# Altium PCB BTF16.PcbDoc (part 4 of 4)
Units mm, origin at the board's own origin, x right, y up, seen from the top; angles counter-clockwise.
Board outline 119.35 x 91 mm, 2 copper layers (Top Layer, Bottom Layer); 485 components, 133 nets, 1702 pads, 1556 vias.
Unrouted connection lines stored in the file: 2.
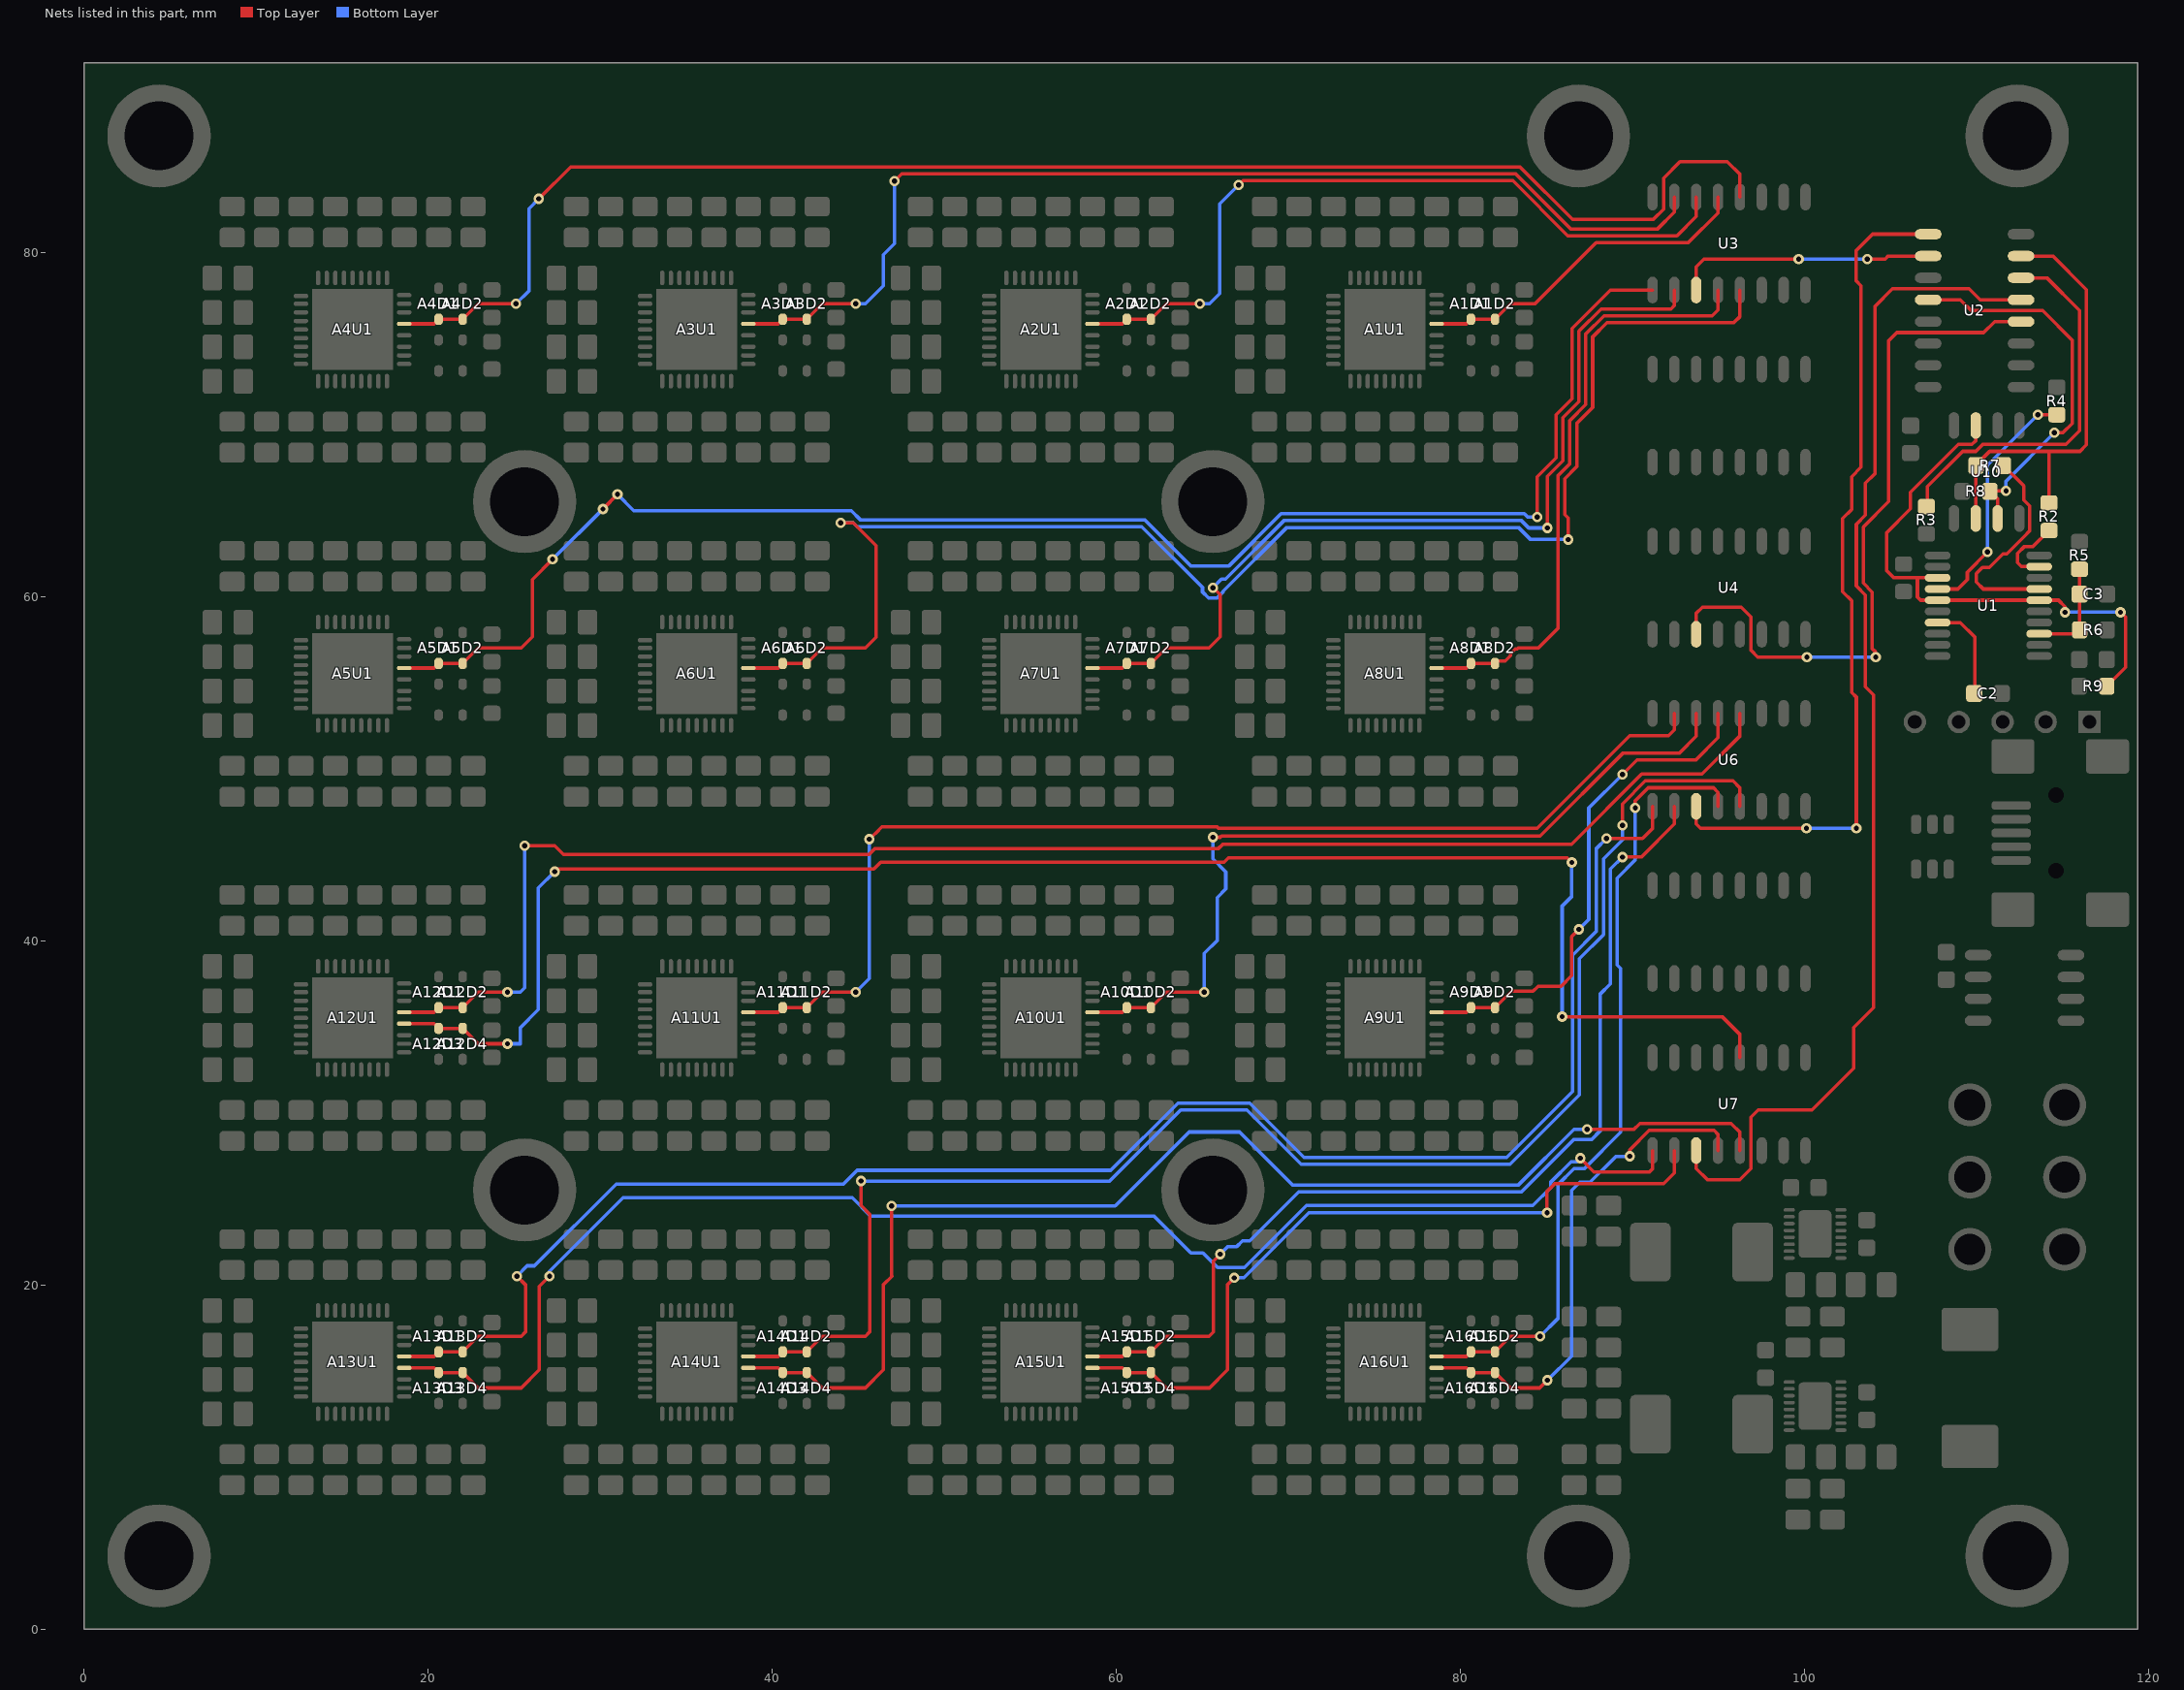
[diagram p4: the nets of this part, all layers, seen from the top]

## Via types
v1: diameter 0.6, hole 0.3, Top Layer to Bottom Layer, tented both sides, 1556 vias

## Nets (pads, with @x,y where several pads share a name; then routed paths per layer and width w, separated by ;. In a path a pad name is that pad's centre, name@x,y a point inside that pad or via, vN(x,y) a via of type N, cw(c..) or ccw(c..) an arc to the next point about the centre after c; other vN are vias at no path point) (continued)
SCL12: A12D3.2 A12D4.1 A12U1.22 | length 99.2
  Top Layer w0.2: A12U1.22@18.6,35.167 20.333,35.167 A12D3.2@20.6,34.9 A12D4.1@22,34.9 ; A12D4.1@22,34.75 A12D4.1@22,34.9 ; v1(24.6,34) 22.9,34 A12D4.1@22,34.9 ; v1@27.206,44 27.356,44.15 45.899,44.15 46.299,44.55 66.259,44.55 66.509,44.8 86.2,44.8 v1(86.462,44.537) ; v1(85.9,35.575) 95.2,35.575 96.235,34.54 96.235,33.2
  Bottom Layer w0.2: v1(24.6,34) 25.35,34 25.35,34.934 26.4,35.984 26.4,43.05 v1(27.35,44) ; v1(85.9,35.575) 85.9,42 86.462,42.562 v1(86.462,44.537)
SCL13: U7.1
SCL13: A13D3.2 A13D4.1 A13U1.22 | length 86.7
  Top Layer w0.2: A13U1.22@18.6,15.167 20.333,15.167 A13D3.2@20.6,14.9 A13D4.1@22,14.9 ; A13D4.1@22,14.75 A13D4.1@22,14.9 ; v1(27.05,20.5) 26.45,19.9 26.45,15.05 25.4,14 22.9,14 A13D4.1@22,14.9 ; v1(86.95,27.35) 87.75,26.55 90.975,26.55 91.155,26.73 91.155,27.8
  Bottom Layer w0.2: v1(27.05,20.5) 27.05,20.775 31.325,25.05 44.65,25.05 45.725,23.975 62.2,23.975 64.325,21.85 65.025,21.85 65.875,21 67.434,21 71.034,24.6 84.2,24.6 85.25,25.65 85.25,25.972 86.428,27.15 86.75,27.15 v1(86.95,27.35)
SCL14: U7.5
SCL14: A14D3.2 A14D4.1 A14U1.22 | length 73.8
  Top Layer w0.2: A14U1.22@38.6,15.167 40.333,15.167 A14D3.2@40.6,14.9 A14D4.1@42,14.9 ; A14D4.1@42,14.75 A14D4.1@42,14.9 ; v1(46.925,24.575) 46.925,20.525 46.95,20.5 46.45,20 46.45,15.05 45.4,14 42.9,14 A14D4.1@42,14.9 ; v1(87.35,29.025) 90.072,29.025 90.422,29.375 95.725,29.375 96.235,28.865 96.235,27.8
  Bottom Layer w0.2: v1(46.925,24.575) 59.925,24.575 64.225,28.875 67.15,28.875 70.225,25.8 83.369,25.8 86.594,29.025 v1(87.35,29.025)
SCL15: U7.2
SCL15: A15D3.2 A15D4.1 A15U1.22 | length 44.6
  Top Layer w0.2: A15U1.22@58.6,15.167 60.333,15.167 A15D3.2@60.6,14.9 A15D4.1@62,14.9 ; A15D4.1@62,14.75 A15D4.1@62,14.9 ; v1(66.85,20.4) 66.45,20 66.45,15.05 65.4,14 62.9,14 A15D4.1@62,14.9 ; v1(85.025,24.175) 85.025,25.425 85.475,25.875 91.8,25.875 92.425,26.5 92.425,27.8
  Bottom Layer w0.2: v1(66.85,20.4) 67.4,20.4 71.175,24.175 71.55,24.175 v1(85.025,24.175)
SCL16: U7.4
SCL16: A16D3.2 A16D4.1 A16U1.22 | length 30.2
  Top Layer w0.2: A16U1.22@78.6,15.167 80.333,15.167 A16D3.2@80.6,14.9 A16D4.1@82,14.9 ; A16D4.1@82,14.75 A16D4.1@82,14.9 ; v1(85.05,14.45) 84.6,14 82.9,14 A16D4.1@82,14.9 ; v1@89.825,27.375 v1(89.825,27.462) 89.825,27.834 90.966,28.975 94.725,28.975 94.965,28.735 94.965,27.8
  Bottom Layer w0.2: v1(85.05,14.45) 86.45,15.85 86.45,25.475 86.925,25.95 87.53,25.95 89.042,27.462 v1(89.825,27.462)
SCL_MCU: R3.1 U2.14 | length 22.5
  Top Layer w0.2: R3.1@107.125,65.225 107.125,66.375 109.175,68.425 109.95,68.425 110.35,68.825 115.175,68.825 115.975,69.625 115.975,76.6 114.07,78.505 U2.14@112.575,78.505
SCLH: U2.13 U7.3 | length 69.7
  Top Layer w0.2: U7.3@93.695,27.8 93.695,26.755 94.35,26.1 96.225,26.1 96.875,26.75 96.875,29.725 97.3,30.15 100.425,30.15 102.85,32.575 102.85,34.95 104,36.1 104,54.275 103.525,54.75 103.525,60.078 103,60.603 103,64.192 103.525,64.717 103.525,65.181 103.525,66.575 104.075,67.125 104.075,76.85 105.1,77.875 109.55,77.875 110.19,77.235 U2.13@112.575,77.235
SCLL: U2.12 U4.3 | length 41.6
  Top Layer w0.2: U4.3@93.695,57.8 93.695,59.02 94.05,59.375 96.3,59.375 96.875,58.8 96.875,56.875 97.275,56.475 v1(100.125,56.475) ; v1(104.125,56.475) 104.125,56.758 103.925,56.958 103.925,60.244 103.4,60.769 103.4,64.026 104.875,65.501 104.875,74.85 105.35,75.325 110.4,75.325 111.04,75.965 U2.12@112.575,75.965
  Bottom Layer w0.2: v1(100.125,56.475) v1(104.125,56.475)
SDA1: U3.13
SDA1: A1D1.2 A1D2.1 A1U1.23 | length 19.9
  Top Layer w0.2: A1U1.23@78.6,75.833 80.333,75.833 A1D1.2@80.6,76.1 A1D2.1@82,76.1 82.9,77 84.325,77 87.875,80.55 93.225,80.55 94.95,82.275 94.95,83.185 94.965,83.2
SDA2: U3.14
SDA2: A2D1.2 A2D2.1 A2U1.23 | length 44.5
  Top Layer w0.2: A2U1.23@58.6,75.833 60.333,75.833 A2D1.2@60.6,76.1 A2D2.1@62,76.1 62.9,77 v1(64.85,77) ; v1(67.1,83.9) 67.35,84.15 83.034,84.15 86.234,80.95 92.575,80.95 93.695,82.07 93.695,83.2 93.7,83.205
  Bottom Layer w0.2: v1(64.85,77) 65.4,77 66,77.6 66,82.8 v1(67.1,83.9)
SDA3: U3.15
SDA3: A3D1.2 A3D2.1 A3U1.23 | length 63.2
  Top Layer w0.2: A3U1.23@38.6,75.833 40.333,75.833 A3D1.2@40.6,76.1 A3D2.1@42,76.1 42.9,77 v1(44.85,77) ; v1(47.1,84.125) 47.525,84.55 83.2,84.55 86.4,81.35 91.45,81.35 92.425,82.325 92.425,83.2
  Bottom Layer w0.2: v1(44.85,77) 45.4,77 46.45,78.05 46.45,79.85 47.1,80.5 v1(47.1,84.125)
SDA4: U3.12
SDA4: A4D1.2 A4D2.1 A4U1.23 | length 89.5
  Top Layer w0.2: A4U1.23@18.6,75.833 20.333,75.833 A4D1.2@20.6,76.1 A4D2.1@22,76.1 22.9,77 v1(25.1,77) ; v1(26.425,83.1) 28.275,84.95 83.1,84.95 83.45,84.95 86.5,81.9 91.2,81.9 91.8,82.5 91.8,84.3 92.75,85.25 95.5,85.25 96.235,84.515 96.235,83.2
  Bottom Layer w0.2: v1(25.1,77) 25.85,77.75 25.85,82.525 v1(26.425,83.1)
SDA5: U3.1
SDA5: A5D1.2 A5D2.1 A5U1.23 | length 92.2
  Top Layer w0.2: A5U1.23@18.6,55.833 20.333,55.833 A5D1.2@20.6,56.1 A5D2.1@22,56.1 22.9,57 25.4,57 26.05,57.65 26.05,60.975 v1(27.225,62.15) ; v1(30.15,65.075) v1(31,65.925) ; v1(84.45,64.6) 84.45,66.938 85.55,68.038 85.55,70.55 86.475,71.475 86.475,75.572 88.703,77.8 91.155,77.8
  Bottom Layer w0.2: v1(27.225,62.15) v1(30.15,65.075) ; v1(31,65.925) 31.95,64.975 44.584,64.975 45.109,64.45 61.631,64.45 64.331,61.75 66.517,61.75 69.567,64.8 83.7,64.8 83.9,64.6 v1@84.2,64.6
SDA6: U3.5
SDA6: A6D1.2 A6D2.1 A6U1.23 | length 85.5
  Top Layer w0.2: A6U1.23@38.6,55.833 40.333,55.833 A6D1.2@40.6,56.1 A6D2.1@42,56.1 42.9,57 45.4,57 46.025,57.625 46.025,62.95 44.7,64.275 v1(43.975,64.275) ; v1(86.25,63.3) 86.25,64.55 86.05,64.75 86.05,66.841 86.75,67.541 86.75,70.053 87.675,70.978 87.675,75.075 88.5,75.9 95.875,75.9 96.235,76.26 96.235,77.8
  Bottom Layer w0.2: v1(43.975,64.275) 44.7,64.275 44.925,64.05 61.466,64.05 65,60.516 65,60.251 65.351,59.9 65.849,59.9 66.2,60.251 66.2,60.302 69.898,64 83.369,64 84.069,63.3 v1(86.25,63.3)
SDA7: U3.2
SDA7: A7D1.2 A7D2.1 A7U1.23 | length 51.7
  Top Layer w0.2: A7U1.23@58.6,55.833 60.333,55.833 A7D1.2@60.6,56.1 A7D2.1@62,56.1 62.9,57 65.375,57 66.025,57.65 66.025,60.1 65.625,60.5 v1(65.6,60.5) ; v1(85.05,63.975) 85.05,66.972 85.95,67.872 85.95,70.384 86.875,71.309 86.875,75.406 88.169,76.7 92.225,76.7 92.425,76.9 92.425,77.8
  Bottom Layer w0.2: v1(65.6,60.5) 66.1,61 66.333,61 69.733,64.4 83.534,64.4 83.959,63.975 v1(85.05,63.975)
SDA8: U3.4
SDA8: A8D1.2 A8D2.1 A8U1.23 | length 35.3
  Top Layer w0.2: A8U1.23@78.6,55.833 80.333,55.833 A8D1.2@80.6,56.1 A8D2.1@82,56.1 82.15,56.25 82.6,56.25 82.9,56.55 82.9,56.658 83.192,56.95 83.3,56.95 83.35,57 84.525,57 85.65,58.125 85.65,67.006 86.35,67.706 86.35,70.219 87.275,71.144 87.275,75.241 88.334,76.3 94.625,76.3 94.965,76.64 94.965,77.8
SDA9: U6.13
SDA9: A9D1.2 A9D2.1 A9U1.23 | length 29.8
  Top Layer w0.2: A9U1.23@78.6,35.833 80.333,35.833 A9D1.2@80.6,36.1 A9D2.1@82,36.1 82.95,37.05 84.208,37.05 84.5,37.342 85.842,37.342 86.45,37.95 86.45,40.225 v1(86.875,40.65) v1@86.7,40.475 ; v1(89.4,49.65) 90.25,50.5 93.675,50.5 94.965,51.79 94.965,53.2
  Bottom Layer w0.2: v1(86.875,40.65) 87.45,41.225 87.45,47.7 v1(89.4,49.65)
SDA10: U6.14
SDA10: A10D1.2 A10D2.1 A10U1.23 | length 48.7
  Top Layer w0.2: A10U1.23@58.6,35.833 60.333,35.833 A10D1.2@60.6,36.1 A10D2.1@62,36.1 62.9,37 v1(65.1,37) ; v1(65.6,46) 66.025,46 66.1,46.075 84.625,46.075 89.45,50.9 92.725,50.9 93.695,51.87 93.695,53.2
  Bottom Layer w0.2: v1(65.1,37) 65.1,39.25 65.85,40 65.85,42.5 66.35,43 66.35,43.991 65.6,44.741 v1(65.6,46)
SDA11: U6.15
SDA11: A11D1.2 A11D2.1 A11U1.23 | length 66.4
  Top Layer w0.2: A11U1.23@38.6,35.833 40.333,35.833 A11D1.2@40.6,36.1 A11D2.1@42,36.1 42.9,37 v1(44.85,37) ; v1(45.637,45.887) 46,46.25 46.014,46.25 46.364,46.6 65.849,46.6 65.924,46.525 84.45,46.525 89.825,51.9 92.075,51.9 92.425,52.25 92.425,53.2
  Bottom Layer w0.2: v1(44.85,37) 45.637,37.787 v1(45.637,45.887)
SDA12: U6.12
SDA12: A12D1.2 A12D2.1 A12U1.23 | length 90.8
  Top Layer w0.2: A12U1.23@18.6,35.833 20.333,35.833 A12D1.2@20.6,36.1 A12D2.1@22,36.1 22.9,37 v1(24.6,37) ; v1(25.6,45.5) 27.35,45.5 27.85,45 45.617,45 45.967,45.35 65.928,45.35 66.178,45.6 66.55,45.6 86.45,45.6 90.525,49.675 94.025,49.675 96.235,51.885 96.235,53.2
  Bottom Layer w0.2: v1(24.6,37) 25.35,37 25.6,37.25 v1(25.6,45.5)
SDA13: U6.1
SDA13: A13D1.2 A13D2.1 A13U1.23 | length 99.4
  Top Layer w0.2: A13U1.23@18.6,15.833 20.333,15.833 A13D1.2@20.6,16.1 A13D2.1@22,16.1 22.9,17 25.4,17 25.65,17.25 25.65,20 v1(25.15,20.5) ; v1(88.475,45.925) 90.575,45.925 91.155,46.505 91.155,47.8
  Bottom Layer w0.2: v1(25.15,20.5) 25.75,21.1 26.175,21.1 30.925,25.85 44.126,25.85 44.901,26.625 ; 44.775,26.499 44.926,26.65 59.669,26.65 63.569,30.55 67.75,30.55 70.9,27.4 82.675,27.4 86.5,31.225 86.5,39.15 87.875,40.525 87.875,45.325 v1(88.475,45.925)
SDA14: U6.5
SDA14: A14D1.2 A14D2.1 A14U1.23 | length 89.8
  Top Layer w0.2: A14U1.23@38.6,15.833 40.333,15.833 A14D1.2@40.6,16.1 A14D2.1@42,16.1 42.9,17 45.4,17 45.65,17.25 45.65,24.1 45.15,24.6 v1(45.15,26.025) ; v1@89.4,46.875 v1(89.4,46.7) 89.4,47.934 90.741,49.275 95.825,49.275 96.235,48.865 96.235,47.8
  Bottom Layer w0.2: v1(45.15,26.025) 59.609,26.025 63.734,30.15 67.584,30.15 70.734,27 82.872,27 86.9,31.028 86.9,38.944 88.3,40.344 88.3,44.75 89.4,45.85 v1(89.4,46.7)
SDA15: U6.2
SDA15: A15D1.2 A15D2.1 A15U1.23 | length 58.6
  Top Layer w0.2: A15U1.23@58.6,15.833 60.333,15.833 A15D1.2@60.6,16.1 A15D2.1@62,16.1 62.9,17 65.375,17 65.625,17.25 65.625,21.375 v1(66.025,21.775) ; v1(89.4,44.85) 90.5,44.85 92.425,46.775 92.425,47.8
  Bottom Layer w0.2: v1(66.025,21.775) 66.45,22.2 66.967,22.2 67.317,22.55 67.75,22.55 70.6,25.4 83.534,25.4 86.559,28.425 87.599,28.425 88.1,28.926 88.1,36.875 88.7,37.475 88.7,44.15 v1(89.4,44.85)
SDA16: U6.4
SDA16: A16D1.2 A16D2.1 A16U1.23 | length 46.6
  Top Layer w0.2: A16U1.23@78.6,15.833 80.333,15.833 A16D1.2@80.6,16.1 A16D2.1@82,16.1 82.9,17 v1(84.625,17) v1@84.725,17 ; v1(90.15,47.7) 90.15,48.119 90.906,48.875 94.706,48.875 94.965,48.616 94.965,47.8
  Bottom Layer w0.2: v1(84.625,17) 85.65,18.025 85.65,25.806 86.594,26.75 87.199,26.75 89.3,28.851 89.3,38.376 89.1,38.576 89.1,43.625 90.15,44.675 v1(90.15,47.7)
SDA_MCU: R2.2 R7.2 U2.15 U10.2 | length 26.6
  Top Layer w0.2: U10.2@109.94,64.525 109.94,67.615 110.75,68.425 116,68.425 116.375,68.8 116.375,77.825 114.425,79.775 U2.15@112.575,79.775 ; R2.2@114.2,65.425 114.2,68.4
SDAH: U2.1 U6.3 | length 49.5
  Top Layer w0.2: U6.3@93.695,47.8 93.695,46.78 93.95,46.525 v1(100.1,46.525) ; v1(103,46.525) 103,54.144 102.725,54.419 102.725,59.747 102.2,60.272 102.2,64.523 102.725,65.048 102.725,65.513 102.725,66.95 103.275,67.5 103.275,78.05 102.975,78.35 102.975,80.075 103.945,81.045 U2.1@107.175,81.045
  Bottom Layer w0.2: v1(100.1,46.525) v1(103,46.525)
SDAL: U2.2 U3.3 | length 15.1
  Top Layer w0.2: U3.3@93.695,77.8 93.695,79.145 94.15,79.6 v1(99.65,79.6) ; v1(103.625,79.6) 104.675,79.6 104.85,79.775 U2.2@107.175,79.775
  Bottom Layer w0.2: v1(99.65,79.6) v1(103.625,79.6)
SDI: R9.1 U1.6 U1.13 U1.15 U10.7 | length 32.6
  Top Layer w0.2: U1.13@107.725,61.075 106.55,61.075 ; U10.7@109.94,69.925 109.94,69.04 109.725,68.825 108.925,68.825 106.15,66.05 106.15,65.079 104.75,63.679 104.75,61.5 105.175,61.075 106.55,61.075 ; v1(115.125,59.075) 115.125,59.4 114.75,59.775 U1.6@113.625,59.775 U1.15@107.725,59.775 106.725,59.775 106.55,59.95 106.55,61.075 ; R9.1@117.55,54.775 118.65,55.875 118.65,58.8 118.375,59.075 v1(118.35,59.075)
  Bottom Layer w0.2: v1(115.125,59.075) v1(118.35,59.075)
SDI_CMP: R7.1 U1.7 | length 12.9
  Top Layer w0.2: R7.1@111.55,67.6 112.728,66.422 112.728,65.6 113.08,65.249 113.08,63.801 112.728,63.45 112.725,63.45 111.75,62.475 111.525,62.475 110.725,61.675 110.326,61.675 109.975,61.324 109.975,60.826 110.376,60.425 U1.7@113.625,60.425
SDO: R2.1 U1.9 | length 4.3
  Top Layer w0.2: U1.9@113.625,61.725 112.6,61.725 112.375,61.95 112.375,62.5 112.775,62.9 113.275,62.9 R2.1@114.2,63.825
SDORC2: R4.2 U1.14 | length 14.3
  Top Layer w0.2: U1.14@107.725,60.425 108.9,60.425 109.45,60.975 109.45,61.399 v1(110.625,62.574) ; v1(113.55,70.55) R4.2@114.65,70.55
  Bottom Layer w0.2: v1(110.625,62.574) 110.625,67.625 v1(113.55,70.55)
VOLT_MEAS: C3.1 R5.2 R6.1 U1.3 | length 6.2
  Top Layer w0.2: U1.3@113.625,57.825 115.975,57.825 R5.2@115.975,61.625
VREF: R8.2 U2.4 U10.3 | length 23.4
  Top Layer w0.2: U2.4@107.175,77.235 109.04,77.235 109.675,76.6 113.825,76.6 115.55,74.875 115.55,70.05 115,69.5 ; R8.2@110.75,66.125 111.21,65.665 U10.3@111.21,64.525 U10.3@111.225,64.51 ; R8.2@110.875,65.975 110.725,66.125 v1(111.7,66.125) ; v1(114.5,69.5) 115,69.5 ; 115.3,69.8 115,69.5
  Bottom Layer w0.2: v1(111.7,66.125) 111.7,66.7 v1(114.5,69.5)
VUSB3V3: C2.1 U1.17 | length 5.9
  Top Layer w0.2: U1.17@107.725,58.475 109.05,58.475 109.875,57.65 109.875,54.525 C2.1@110.05,54.35
pads on no net: J2.10 J2.11 P1U1.2 P1U1.15 P2U1.2 P2U1.15 U10.5 U10.6

## Polygon pours and split planes (outlines as drawn)
12V on Top Layer "12V" (solid, pour order 53): 103.2,5.5 107.875,5.5 109.1,6.725 109.1,7.95 110.5,9.35 113.8,9.35 114.15,9.7 117,12.55 117,23.125 117,31.475 115.95,32.525 113.225,32.525 112.375,31.675 112.375,15.75 111.775,15.15 107.85,15.15 105.1,17.9 104.45,17.25 104.45,12.45 105.625,11.275 105.625,9.381 105.512,9.087 103.2,9.087 103.2,8.275
12V on Top Layer "P12V" (solid, pour order 52): 102.1,22.75 102.55,22.75 102.625,22.75 102.85,22.525 102.85,21.8 102.85,21.625 103.075,21.4 103.55,20.925 103.55,20.5 103.55,19.475 104,19.025 105.6,17.425 105.6,17 105.6,15.5 103.2,15.5 103.2,16.85 102.6,17.45 98.975,17.45 98.7,17.725 98.7,18.525 99.175,19 100.025,19 100.225,19 100.525,19.3 100.625,19.4 100.625,20.425 100.625,20.625 101.05,21.05 101.25,21.25 101.575,21.25 101.775,21.45 101.8,21.475 101.8,22.525 101.875,22.525 102.1,22.75
GND on Top Layer "PGND" (solid, pour order 56): 101.575,24 101.225,24.35 100.975,24.35 99.875,24.35 99.625,24.1 99.625,21.4 98.9,20.675 95.475,17.25 87.1,17.25 85.9,17.25 85.6,16.95 85.6,15.5 102.975,15.5 102.975,16.8 102.725,17.05 102.525,17.25 102,17.25 98.825,17.25 98.45,17.625 98.425,17.65 98.425,18.575 98.425,18.65 98.975,19.2 99,19.225 99.75,19.225 99.9,19.225 100.1,19.425 100.35,19.675 100.35,20.725 101.175,21.55 101.3,21.55 101.375,21.55 101.575,21.75
P2SW on Top Layer "PSW" (solid, pour order 61): 99.425,21.45 99.425,22.7 99.25,22.875 98.75,22.875 98.05,23.575 98,23.625 97.175,23.625 97.175,20.15 97.95,20.15 98.175,20.375 99.25,21.45 99.3,21.45
P1VDD on Top Layer "PVDD" (solid, pour order 63): 92.425,21.9 92.425,17.375 85.783,17.375 85.6,17.6 85.6,23.7 92.425,23.7
GND on Top Layer "PGND2" (solid, pour order 67): 85.6,23.875 85.6,25.5 95.475,25.5 95.475,20.225 96.125,19.575 97.8,19.575 97.9,19.675 98.025,19.55 98.025,18.875 96.225,17.075 94.375,17.075 94.375,23.875
GND on Top Layer "PGND2" (solid, pour order 64): 85.625,13.875 85.625,15.5 95.5,15.5 95.5,10.225 96.15,9.575 97.825,9.575 97.925,9.675 98.05,9.55 98.05,8.875 96.25,7.075 94.4,7.075 92.675,13.475 92.675,13.675 92.675,13.875
P1VDD on Top Layer "PVDD" (solid, pour order 62): 92.45,12.441 92.45,9.275 85.783,9.275 85.6,9.432 85.6,13.7 92.45,13.7
P1SW on Top Layer "PSW" (solid, pour order 57): 99.425,11.45 99.425,12.7 99.25,12.875 98.75,12.875 98.05,13.575 98,13.625 97.175,13.625 97.175,10.15 97.95,10.15 98.175,10.375 99.25,11.45 99.3,11.45
GND on Top Layer "PGND" (solid, pour order 54): 101.575,14 101.225,14.35 100.975,14.35 99.875,14.35 99.625,14.1 99.625,11.4 98.9,10.675 95.475,7.25 87.1,7.25 85.9,7.25 85.6,6.95 85.6,5.5 102.975,5.5 102.975,6.8 102.725,7.05 102.525,7.25 102,7.25 98.825,7.25 98.45,7.625 98.425,7.65 98.425,8.575 98.425,8.65 98.975,9.2 99,9.225 99.75,9.225 99.9,9.225 100.1,9.425 100.35,9.675 100.35,10.725 101.175,11.55 101.3,11.55 101.375,11.55 101.575,11.75
12V on Top Layer "P12V" (solid, pour order 51): 102.1,12.75 102.55,12.75 102.625,12.75 102.85,12.525 102.85,11.8 102.85,11.625 103.075,11.4 103.55,10.925 103.55,10.5 103.55,9.475 104,9.025 105.6,7.425 105.6,7 105.6,5.5 103.2,5.5 103.2,6.85 102.6,7.45 98.975,7.45 98.7,7.725 98.7,8.525 99.175,9 100.025,9 100.225,9 100.525,9.3 100.625,9.4 100.625,10.425 100.625,10.625 101.05,11.05 101.25,11.25 101.575,11.25 101.775,11.45 101.8,11.475 101.8,12.525 101.875,12.525 102.1,12.75
GND on Top Layer "PGND3" (solid, pour order 77): 92.6,24 92.6,17.15 94.475,17.15 94.475,24
GND on Top Layer "PGND3" (solid, pour order 76): 92.575,13.925 92.575,7.075 94.45,7.075 94.45,13.925
GND on Top Layer "PGND3" (solid, pour order 68): 85.6,5.6 96.75,5.6 96.75,9.05 85.6,9.05
P1VDD on Top Layer "VDD" (solid, pour order 55): 87.375,23.7 84.2,23.7 83.625,23.125 83.625,22.375 83.625,21.95 83.4,21.725 69.475,21.725 68.6,20.85 68.35,20.6 68.35,17.575 68.35,9.975 69.075,9.25 86.25,9.25 87.375,10.375
6.0V on Top Layer "6.0" (solid, pour order 60): 85.1,9 85.1,7.5 83.1,5.5 63.6,5.5 63.6,9.25 48.6,9.25 48.6,11.75 48.35,12 48.35,21.75 63.35,21.75 63.85,22.25 67.1,25.5 73.35,25.5 85.1,25.5
5.6V on Top Layer "5.6" (solid, pour order 59): 65.1,9 65.1,7.5 63.1,5.5 43.6,5.5 43.6,9.25 28.6,9.25 28.6,11.75 28.35,12 28.35,21.75 43.35,21.75 43.85,22.25 47.1,25.5 53.35,25.5 65.1,25.5
5.2V on Top Layer "5.2" (solid, pour order 58): 45.1,9 45.1,7.5 43.1,5.5 23.6,5.5 23.6,9.25 8.6,9.25 8.6,11.75 8.35,12 8.35,21.75 23.35,21.75 23.85,22.25 27.1,25.5 33.35,25.5 45.1,25.5
4.8V on Top Layer "4.8" (solid, pour order 66): 23.6,5.5 23.6,9.25 8.6,9.25 8.35,9.5 8.35,13.25 8.35,21.5 8.6,21.75 23.6,21.75 23.6,25.5 5.6,25.5 5.6,5.5
4.4V on Top Layer "4.4" (solid, pour order 83): 7.6,25.5 7.6,28.75 8.1,29.25 23.1,29.25 23.6,29.75 23.6,31 21.85,32.75 21.85,34 24.6,34 24.6,40.25 23.1,41.75 8.1,41.75 7.6,42.25 7.6,45.5 25.6,45.5 25.6,43.75 27.6,41.75 43.35,41.75 44.85,40.25 44.85,37 44.85,35.5 43.35,34 41.85,34 41.35,33.5 41.35,32.5 43.35,30.5 43.35,29.25 28.1,29.25 26.6,27.75 25.6,26.75 25.6,25.5
4.0V on Top Layer "4.0" (solid, remove dead copper, pour order 82): 27.6,25.5 27.6,28.75 28.1,29.25 43.1,29.25 43.6,29.75 43.6,31 41.85,32.75 41.85,34 44.6,34 44.6,40.25 43.1,41.75 28.1,41.75 27.6,42.25 27.6,45.5 45.6,45.5 45.6,43.75 47.6,41.75 63.35,41.75 64.85,40.25 64.85,37 64.85,35.5 63.35,34 61.85,34 61.35,33.5 61.35,32.5 63.35,30.5 63.35,29.25 48.1,29.25 46.6,27.75 45.6,26.75 45.6,25.5
3.6V on Top Layer "3.6" (solid, remove dead copper, pour order 81): 47.6,25.5 47.6,28.75 48.1,29.25 63.1,29.25 63.6,29.75 63.6,31 61.85,32.75 61.85,34 64.6,34 64.6,40.25 63.1,41.75 48.1,41.75 47.6,42.25 47.6,45.5 65.6,45.5 65.6,43.75 67.6,41.75 83.35,41.75 84.85,40.25 84.85,37 84.85,35.5 83.35,34 81.85,34 81.35,33.5 81.35,32.5 83.35,30.5 83.35,29.25 68.1,29.25 66.6,27.75 65.6,26.75 65.6,25.5
4.8V on Top Layer "4.8Top2" (solid, remove dead copper, pour order 85): 7.6,5.5 3.228,5.5 2.621,5.5 2.525,5.5 2.525,10.575 2.525,29.75 2.525,34.125 2.525,45.5 7.6,45.5 7.6,42.25 8.1,41.75 8.11,41.74 23.11,41.74 24.6,40.25 24.6,32 23.6,31 23.6,29.75 23.11,29.26 23.1,29.25 8.1,29.25 7.6,28.75
3.2V on Top Layer "3.2" (solid, remove dead copper, pour order 88): 84.1,49.25 84.1,51 82.85,52.25 82.6,52.5 81.35,52.5 81.35,58.75 83.35,60.75 83.35,61.75 67.875,61.75 67.85,61.725 67.85,60 68.35,59.5 68.35,51 67.6,50.25 67.6,49.25
2.8V on Top Layer "2.8" (solid, remove dead copper, pour order 89): 83.85,61.75 83.85,65.5 66.85,65.5 63.1,61.75 49.6,61.75 48.35,60.5 48.35,49.5 48.6,49.25 63.6,49.25 64.85,48 65.1,47.75 65.1,45.5 83.85,45.5 83.85,49.25 68.6,49.25 68.6,61.75
2.4V on Top Layer "2.4" (solid, remove dead copper, pour order 91): 63.1,61.75 65.6,64.25 65.6,65.5 45.6,65.5 45.6,64 43.35,61.75 28.6,61.75 28.6,59.25 28.35,59 28.35,52 28.6,51.75 28.6,49.25 43.1,49.25 45.35,47 45.6,46.75 45.6,45.5 63.1,45.5 63.1,49 48.1,49 47.85,49.25 47.6,49.5 47.6,50.75 47.6,61.25 48.1,61.75
2.0V on Top Layer "2.0" (solid, remove dead copper, pour order 90): 43.1,61.75 45.6,64.25 45.6,65.5 25.6,65.5 25.6,64 23.35,61.75 8.6,61.75 8.6,59.25 8.35,59 8.35,52 8.6,51.75 8.6,49.25 23.1,49.25 25.35,47 25.6,46.75 25.6,45.5 43.1,45.5 43.1,49 28.1,49 27.85,49.25 27.6,49.5 27.6,50.75 27.6,61.25 28.1,61.75
1.6V on Top Layer "1.6 VTop 2" (solid, remove dead copper, pour order 84): 7.6,45.5 3.769,45.5 2.88,45.5 2.525,45.5 2.525,49.7 2.525,54.025 2.525,68.175 2.525,70.987 2.525,85.5 7.6,85.5 7.6,82.25 8.1,81.75 8.11,81.74 23.11,81.74 24.6,80.25 24.6,72 23.6,71 23.6,69.75 23.11,69.26 23.1,69.25 8.1,69.25 7.6,68.75
1.6V on Top Layer "1.6" (solid, pour order 65): 23.6,45.5 23.6,49.25 8.6,49.25 8.35,49.5 8.35,53.25 8.35,61.5 8.6,61.75 23.6,61.75 23.6,65.5 5.6,65.5 5.6,45.5
1.2V on Top Layer "1.2" (solid, remove dead copper, pour order 80): 7.6,65.5 7.6,68.75 8.1,69.25 23.1,69.25 23.6,69.75 23.6,71 21.85,72.75 21.85,74 24.6,74 24.6,80.25 23.1,81.75 8.1,81.75 7.6,82.25 7.6,85.5 25.6,85.5 25.6,83.75 27.6,81.75 43.35,81.75 44.85,80.25 44.85,77 44.85,75.5 43.35,74 41.85,74 41.35,73.5 41.35,72.5 43.35,70.5 43.35,69.25 28.1,69.25 26.6,67.75 25.6,66.75 25.6,65.5
0.8V on Top Layer "0.8" (solid, remove dead copper, pour order 79): 27.6,65.5 27.6,68.75 28.1,69.25 43.1,69.25 43.6,69.75 43.6,71 41.85,72.75 41.85,74 44.6,74 44.6,80.25 43.1,81.75 28.1,81.75 27.6,82.25 27.6,85.5 45.6,85.5 45.6,83.75 47.6,81.75 63.35,81.75 64.85,80.25 64.85,77 64.85,75.5 63.35,74 61.85,74 61.35,73.5 61.35,72.5 63.35,70.5 63.35,69.875 63.35,69.75 62.85,69.25 48.1,69.25 46.6,67.75 45.6,66.75 45.6,65.5
0.4V on Top Layer "0.4" (solid, remove dead copper, pour order 78): 47.6,65.5 47.6,68.75 48.1,69.25 63.1,69.25 63.6,69.75 63.6,71 61.85,72.75 61.85,74 64.6,74 64.6,80.25 63.1,81.75 48.1,81.75 47.6,82.25 47.6,85.5 65.6,85.5 65.6,83.75 67.6,81.75 83.35,81.75 84.85,80.25 84.85,77 84.85,75.5 83.35,74 81.85,74 81.35,73.5 81.35,72.5 83.35,70.5 83.35,69.25 68.1,69.25 66.6,67.75 65.6,66.75 65.6,65.5
GND on Top Layer "GND" (solid, remove dead copper, pour order 100): 119.35,91 0,91 0,0 119.35,0
6.0V on Bottom Layer "6.0Bottom" (solid, remove dead copper, pour order 75): 83.6,25.5 83.6,5.5 63.6,5.5 63.6,25.5
5.6V on Bottom Layer "5.6Bottom" (solid, remove dead copper, pour order 74): 63.35,25.5 63.35,5.5 43.35,5.5 43.35,25.5
5.2V on Bottom Layer "5.2Bottom" (solid, remove dead copper, pour order 73): 43.35,25.5 43.35,5.5 23.35,5.5 23.35,25.5
4.8V on Bottom Layer "4.8Bottom" (solid, pour order 72): 23.35,25.5 23.35,5.5 3.35,5.5 3.35,25.5
4.4V on Bottom Layer "4.4Bottom" (solid, remove dead copper, pour order 71): 23.275,45.498 23.275,25.498 3.275,25.498 3.275,45.498
4.0V on Bottom Layer "4.0Bottom" (solid, remove dead copper, pour order 70): 43.35,45.5 43.35,25.5 23.25,25.5 23.25,45.5
3.6V on Bottom Layer "3.6Bottom" (solid, remove dead copper, pour order 69): 63.35,45.5 63.35,25.5 43.35,25.5 43.35,45.5
3.2V on Bottom Layer "3.2Bottom" (solid, remove dead copper, pour order 86): 65.6,25.5 63.6,25.5 63.6,45.5 67.6,45.5 68.35,46.25 68.35,51.25 76.6,51.25 78.6,53.25 78.6,57.75 76.35,60 75.35,60 70.85,60 70.6,60.25 70.6,61.75 85.6,61.75 85.6,25.5
2.8V on Bottom Layer "2.8Bottom" (solid, remove dead copper, pour order 87): 83.6,61.75 81.85,63.5 79.85,63.5 65.6,63.5 65.6,61.75 63.766,61.75 63.766,45.584 63.85,45.5 67.6,45.5 68.35,46.25 68.35,51.25 76.6,51.25 78.6,53.25 78.6,53.295 78.6,57.75 76.35,60 70.85,60 70.6,60.25 70.6,61.75
2.4V on Bottom Layer "2.4Bottom" (solid, remove dead copper, pour order 94): 63.6,45.5 63.6,65.5 43.85,65.5 43.85,45.5
2.0V on Bottom Layer "2.0Bottom" (solid, remove dead copper, pour order 93): 43.6,45.5 43.6,65.5 23.85,65.5 23.85,45.5
1.6V on Bottom Layer "1.6Bottom" (solid, remove dead copper, pour order 92): 23.6,45.5 23.6,65.5 3.85,65.5 3.85,45.5
GND on Bottom Layer "GND A1 Bottom" (solid, remove dead copper, pour order 98): 83.7,74 83.7,85.525 83.675,85.5 63.7,85.5 63.7,65.5 83.7,65.5
0.4V on Bottom Layer "0.4Bottom" (solid, remove dead copper, pour order 97): 63.7,74 63.7,85.525 63.675,85.5 43.7,85.5 43.7,65.5 63.7,65.5
0.8V on Bottom Layer "0.8Bottom" (solid, remove dead copper, pour order 96): 43.7,74 43.7,85.525 43.675,85.5 23.7,85.5 23.7,65.5 43.7,65.5
1.2V on Bottom Layer "1.2Bottom" (solid, remove dead copper, pour order 95): 23.7,74 23.7,85.525 23.675,85.5 3.7,85.5 3.7,65.5 23.7,65.5
GND on Bottom Layer "GND Bottom" (solid, remove dead copper, pour order 99): 119.35,0 119.35,91 0,91 0,0

## Keep-outs
Keep-Out Layer:
  the board outline again, w0.25

## Silkscreen, mask and mechanical layers (free items; w line width, h text height)
Bottom Solder:
  rectangle: 69.6,9.5 81.6,21.5
  region: 81.6,29.5 81.6,41.5 69.6,41.5 69.6,29.5
  region: 61.6,41.5 49.6,41.5 49.6,29.5 61.6,29.5
  region: 49.6,21.5 49.6,9.5 61.6,9.5 61.6,21.5
  region: 9.6,21.5 9.6,9.5 21.6,9.5 21.6,21.5
  rectangle: 29.6,9.5 41.6,21.5
  region: 41.6,29.5 41.6,41.5 29.6,41.5 29.6,29.5
  region: 21.6,41.5 9.6,41.5 9.6,29.5 21.6,29.5
  region: 21.6,81.5 9.6,81.5 9.6,69.5 21.6,69.5
  region: 9.6,61.5 9.6,49.5 21.6,49.5 21.6,61.5
  rectangle: 29.6,49.5 41.6,61.5
  region: 41.6,69.5 41.6,81.5 29.6,81.5 29.6,69.5
  region: 81.6,69.5 81.6,81.5 69.6,81.5 69.6,69.5
  region: 61.6,81.5 49.6,81.5 49.6,69.5 61.6,69.5
  region: 49.6,61.5 49.6,49.5 61.6,49.5 61.6,61.5
  rectangle: 69.6,49.5 81.6,61.5

## Text inside footprints (layer, text, board x,y; h text height)
J2: Mechanical 3 "5" at 114,47.733 h0.5 r90; Mechanical 3 "1" at 114,44.59 h0.5 r90
J4: Mechanical 3 "1" at 114.75,32.16 h0.5 r270; Mechanical 3 "6" at 109.8,20.655 h0.5 r270; Mechanical 3 "3" at 114.75,20.667 h0.5 r270; Mechanical 3 "4" at 109.8,32.279 h0.5 r270